# KiCad board FrontEnd_5G.kicad_pcb (continued)
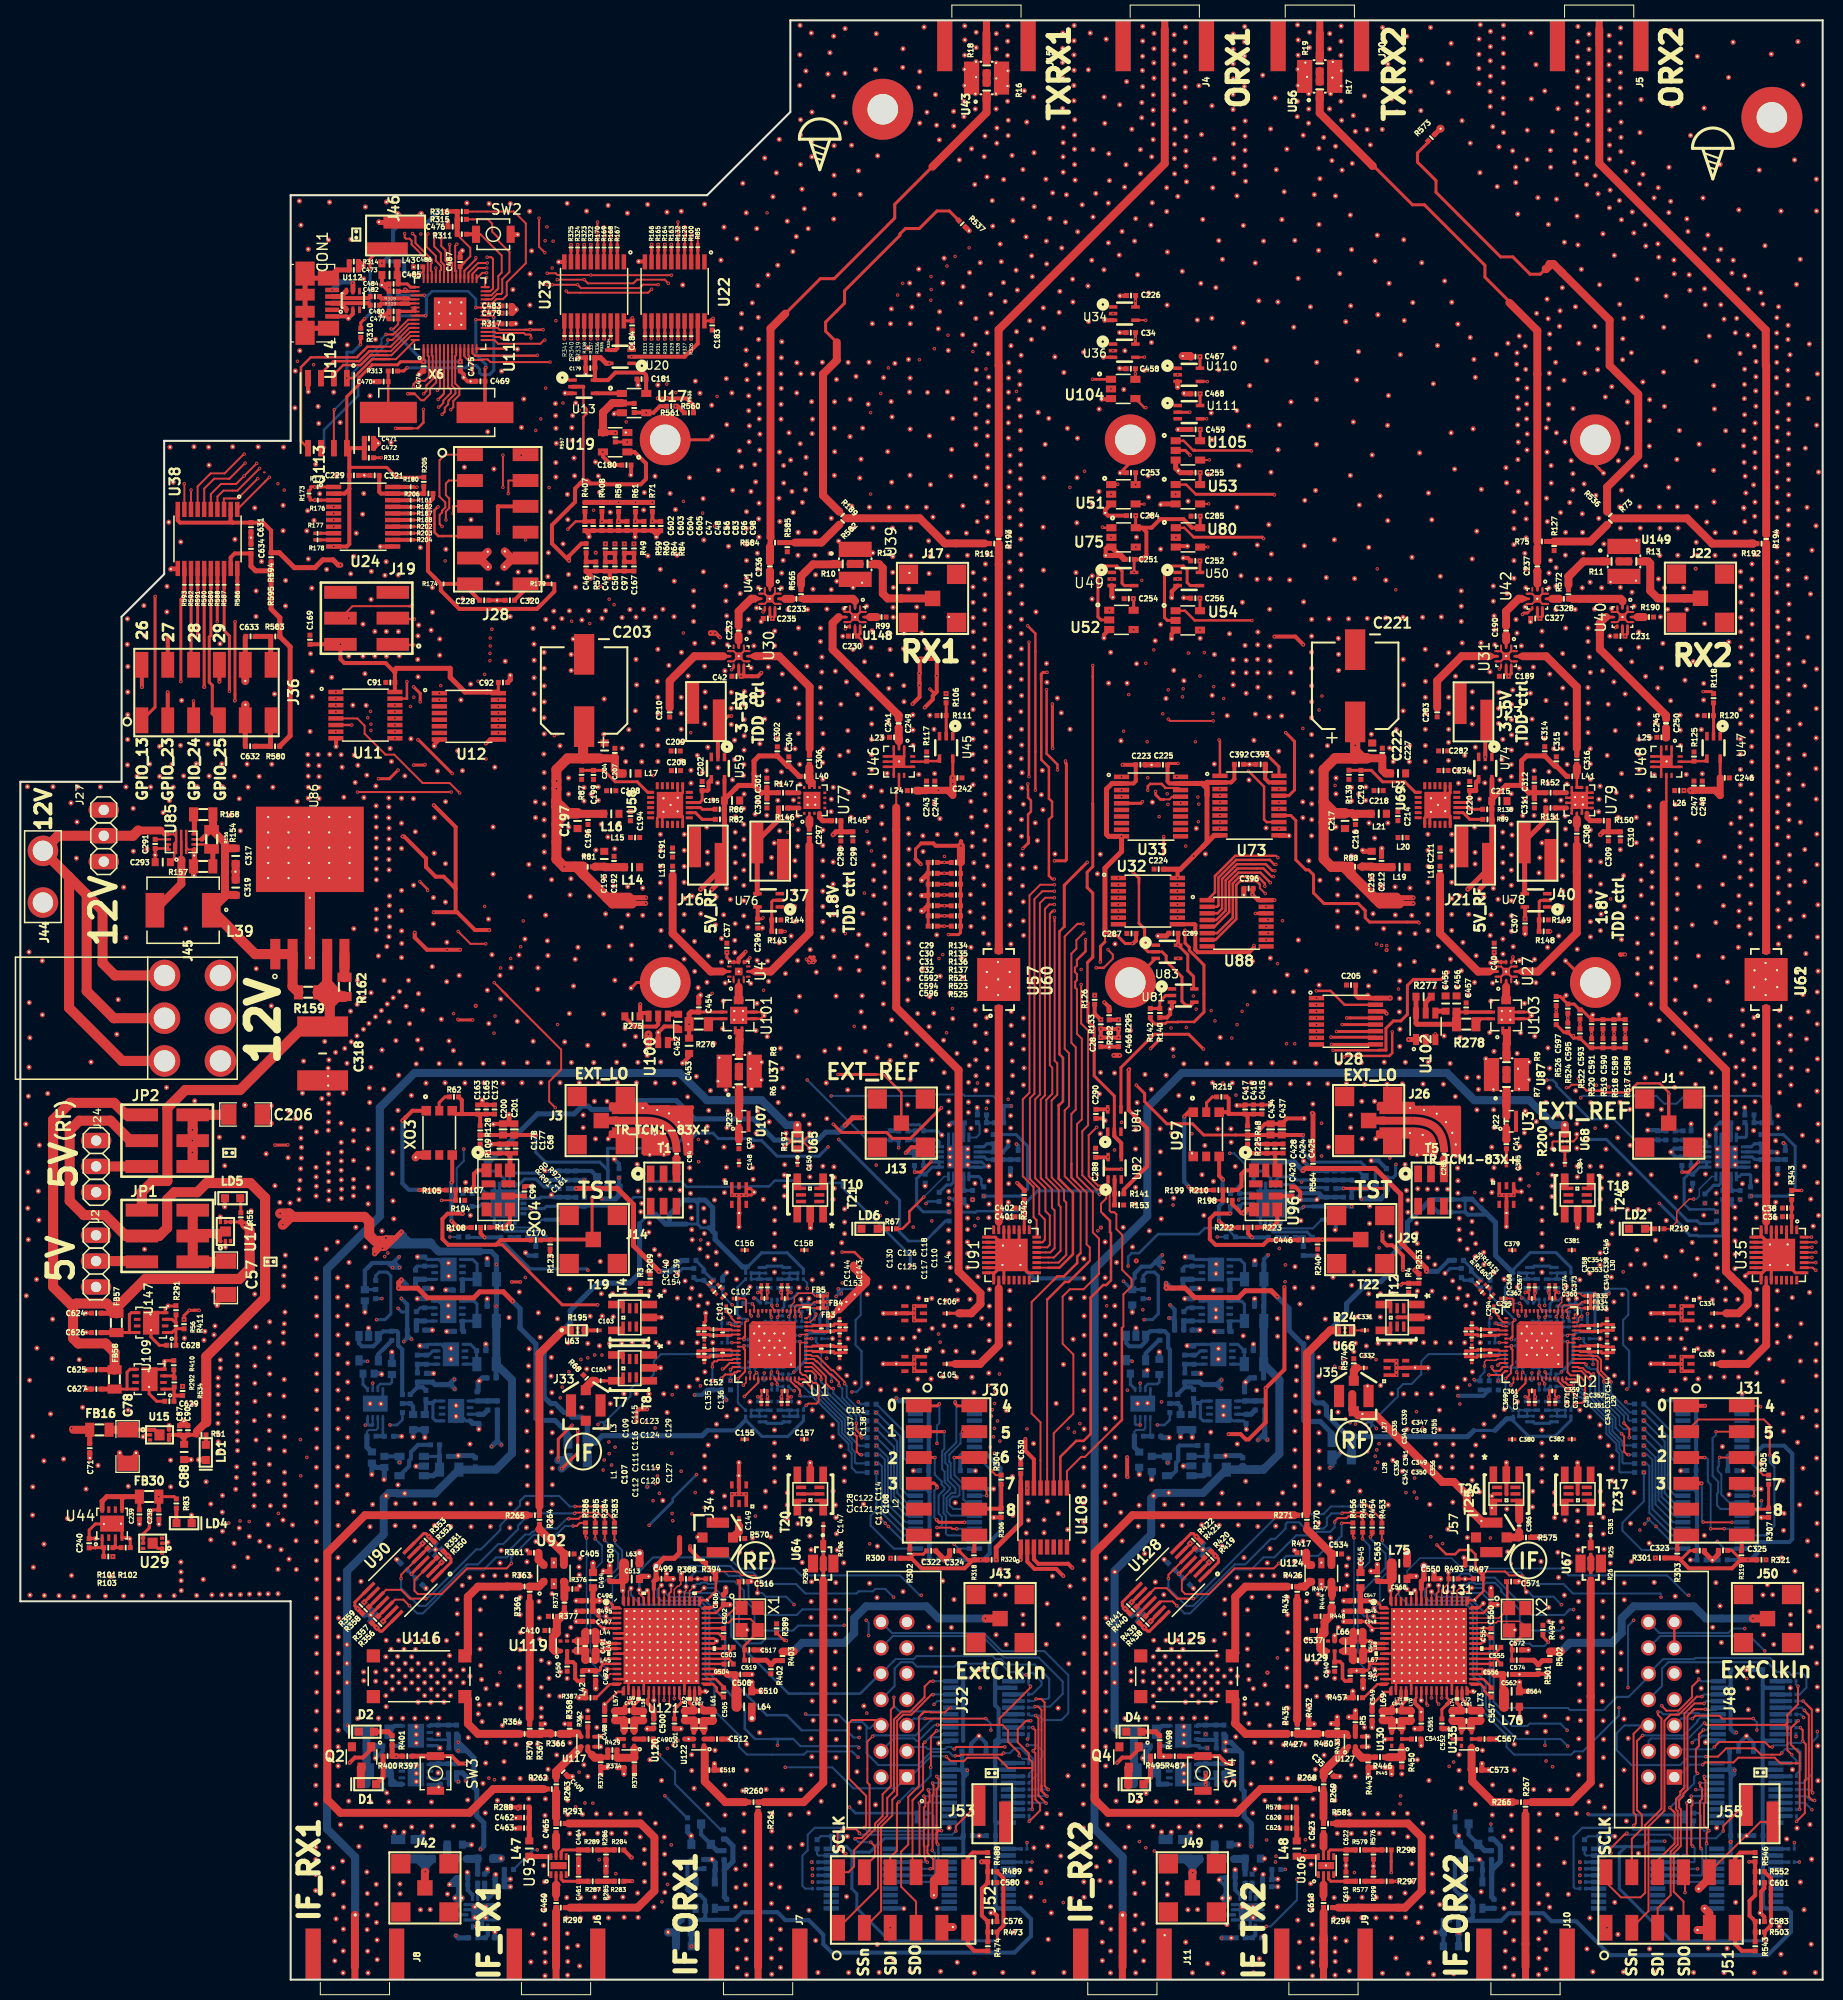
[diagram p0: board, top side]
## Placement (name value [footprint] x y rotation side) (continued)
Ref**#454  Val**  [VIA_600_400]  129.71 19.97 0 top
Ref**#455  Val**  [VIA_600_400]  131.22 19.97 0 top
Ref**#456  Val**  [VIA_600_400]  129.32 16.28 0 top
Ref**#457  Val**  [VIA_600_400]  130.7 16.27 0 top
Ref**#458  Val**  [VIA_600_400]  127.3 20.67 0 top
Ref**#459  Val**  [VIA_600_400]  133.14 30.51 0 top
Ref**#460  Val**  [VIA_600_400]  132.88 29.87 0 top
Ref**#461  Val**  [VIA_600_400]  143.86 33.3 0 top
Ref**#462  Val**  [VIA_600_400]  143.93 30.25 0 top
Ref**#463  Val**  [VIA_600_400]  119.63 29.82 0 top
Ref**#464  Val**  [VIA_600_400]  118.35 29.82 0 top
Ref**#465  Val**  [VIA_600_400]  117.09 29.82 0 top
Ref**#466  Val**  [VIA_600_400]  115.82 29.82 0 top
Ref**#467  Val**  [VIA_600_400]  114.55 29.82 0 top
Ref**#468  Val**  [VIA_600_400]  113.28 29.82 0 top
Ref**#469  Val**  [VIA_600_400]  112.01 29.82 0 top
Ref**#470  Val**  [VIA_600_400]  111.37 30.45 0 top
Ref**#471  Val**  [VIA_600_400]  118.99 30.45 0 top
Ref**#472  Val**  [VIA_600_400]  116.45 30.45 0 top
Ref**#473  Val**  [VIA_600_400]  117.71 30.45 0 top
Ref**#474  Val**  [VIA_600_400]  113.91 30.45 0 top
Ref**#475  Val**  [VIA_600_400]  112.64 30.45 0 top
Ref**#476  Val**  [VIA_600_400]  115.18 30.45 0 top
Ref**#477  Val**  [VIA_600_400]  111.37 29.19 0 top
Ref**#478  Val**  [VIA_600_400]  118.99 29.19 0 top
Ref**#479  Val**  [VIA_600_400]  116.45 29.19 0 top
Ref**#480  Val**  [VIA_600_400]  117.71 29.19 0 top
Ref**#481  Val**  [VIA_600_400]  113.91 29.19 0 top
Ref**#482  Val**  [VIA_600_400]  112.64 29.19 0 top
Ref**#483  Val**  [VIA_600_400]  115.18 29.19 0 top
Ref**#484  Val**  [VIA_600_400]  112.01 28.55 0 top
Ref**#485  Val**  [VIA_600_400]  117.09 28.55 0 top
Ref**#486  Val**  [VIA_600_400]  114.55 28.55 0 top
Ref**#487  Val**  [VIA_600_400]  113.28 28.55 0 top
Ref**#488  Val**  [VIA_600_400]  115.82 28.55 0 top
Ref**#489  Val**  [VIA_600_400]  114.55 31.09 0 top
Ref**#490  Val**  [VIA_600_400]  117.09 31.09 0 top
Ref**#491  Val**  [VIA_600_400]  113.28 31.09 0 top
Ref**#492  Val**  [VIA_600_400]  115.82 31.09 0 top
Ref**#493  Val**  [VIA_600_400]  112.01 31.09 0 top
Ref**#494  Val**  [VIA_600_400]  115.18 27.92 0 top
Ref**#495  Val**  [VIA_600_400]  117.72 27.92 0 top
Ref**#496  Val**  [VIA_600_400]  116.45 27.92 0 top
Ref**#497  Val**  [VIA_600_400]  114.54 27.28 0 top
Ref**#498  Val**  [VIA_600_400]  117.08 27.28 0 top
Ref**#499  Val**  [VIA_600_400]  115.81 27.28 0 top
Ref**#500  Val**  [VIA_600_400]  111.37 31.73 0 top
Ref**#501  Val**  [VIA_600_400]  113.91 31.73 0 top
Ref**#502  Val**  [VIA_600_400]  112.53 31.77 0 top
Ref**#503  Val**  [VIA_600_400]  111.89 32.47 0 top
Ref**#504  Val**  [VIA_600_400]  114.28 32.45 0 top
Ref**#505  Val**  [VIA_600_400]  113.16 32.47 0 top
Ref**#506  Val**  [VIA_600_400]  117.64 31.85 0 top
Ref**#507  Val**  [VIA_600_400]  117.34 33.33 0 top
Ref**#508  Val**  [VIA_600_400]  112.62 33.35 0 top
Ref**#509  Val**  [VIA_600_400]  116.16 33.33 0 top
Ref**#510  Val**  [VIA_600_400]  113.78 33.36 0 top
Ref**#511  Val**  [VIA_600_400]  114.96 33.36 0 top
Ref**#512  Val**  [VIA_600_400]  111.41 33.35 0 top
Ref**#513  Val**  [VIA_600_400]  111.4 26.83 0 top
Ref**#514  Val**  [VIA_600_400]  111.37 27.91 0 top
Ref**#515  Val**  [VIA_600_400]  110.37 29.33 0 top
Ref**#516  Val**  [VIA_600_400]  109.19 29.38 0 top
Ref**#517  Val**  [VIA_600_400]  109.18 30.24 0 top
Ref**#518  Val**  [VIA_600_400]  110.38 30.24 0 top
Ref**#519  Val**  [VIA_600_400]  104.54 11.07 0 top
Ref**#520  Val**  [VIA_600_400]  104.47 13.03 0 top
Ref**#521  Val**  [VIA_600_400]  104.54 9.61 0 top
Ref**#522  Val**  [VIA_600_400]  104.57 8.1 0 top
Ref**#523  Val**  [VIA_600_400]  108.6 25.67 0 top
Ref**#524  Val**  [VIA_600_400]  171.74 38.83 0 top
Ref**#525  Val**  [VIA_600_400]  132.88 27.08 0 top
Ref**#526  Val**  [VIA_600_400]  140.36 30.12 0 top
Ref**#527  Val**  [VIA_600_400]  138.08 30.12 0 top
Ref**#528  Val**  [VIA_600_400]  137.31 30.12 0 top
Ref**#529  Val**  [VIA_600_400]  135.04 29.36 0 top
Ref**#530  Val**  [VIA_600_400]  138.85 29.36 0 top
Ref**#531  Val**  [VIA_600_400]  138.09 29.36 0 top
Ref**#532  Val**  [VIA_600_400]  141.88 30.12 0 top
Ref**#533  Val**  [VIA_600_400]  141.13 29.36 0 top
Ref**#534  Val**  [VIA_600_400]  137.32 29.36 0 top
Ref**#535  Val**  [VIA_600_400]  141.89 29.36 0 top
Ref**#536  Val**  [VIA_600_400]  139.6 29.36 0 top
Ref**#537  Val**  [VIA_600_400]  141.12 30.12 0 top
Ref**#538  Val**  [VIA_600_400]  140.37 29.36 0 top
Ref**#539  Val**  [VIA_600_400]  139.59 30.12 0 top
Ref**#540  Val**  [VIA_600_400]  136.57 29.36 0 top
Ref**#541  Val**  [VIA_600_400]  135.81 29.36 0 top
Ref**#542  Val**  [VIA_600_400]  138.84 30.12 0 top
Ref**#543  Val**  [VIA_600_400]  135.03 30.12 0 top
Ref**#544  Val**  [VIA_600_400]  135.8 30.12 0 top
Ref**#545  Val**  [VIA_600_400]  136.56 30.12 0 top
Ref**#546  Val**  [VIA_600_400]  140.37 31.65 0 top
Ref**#547  Val**  [VIA_600_400]  138.09 31.65 0 top
Ref**#548  Val**  [VIA_600_400]  137.32 31.65 0 top
Ref**#549  Val**  [VIA_600_400]  135.05 30.89 0 top
Ref**#550  Val**  [VIA_600_400]  138.86 30.89 0 top
Ref**#551  Val**  [VIA_600_400]  138.1 30.89 0 top
Ref**#552  Val**  [VIA_600_400]  141.89 31.65 0 top
Ref**#553  Val**  [VIA_600_400]  141.14 30.89 0 top
Ref**#554  Val**  [VIA_600_400]  137.33 30.89 0 top
Ref**#555  Val**  [VIA_600_400]  141.9 30.89 0 top
Ref**#556  Val**  [VIA_600_400]  139.61 30.89 0 top
Ref**#557  Val**  [VIA_600_400]  141.13 31.65 0 top
Ref**#558  Val**  [VIA_600_400]  140.38 30.89 0 top
Ref**#559  Val**  [VIA_600_400]  139.6 31.65 0 top
Ref**#560  Val**  [VIA_600_400]  136.58 30.89 0 top
Ref**#561  Val**  [VIA_600_400]  135.82 30.89 0 top
Ref**#562  Val**  [VIA_600_400]  138.85 31.65 0 top
Ref**#563  Val**  [VIA_600_400]  135.04 31.65 0 top
Ref**#564  Val**  [VIA_600_400]  135.81 31.65 0 top
Ref**#565  Val**  [VIA_600_400]  136.57 31.65 0 top
Ref**#566  Val**  [VIA_600_400]  140.36 33.17 0 top
Ref**#567  Val**  [VIA_600_400]  138.08 33.17 0 top
Ref**#568  Val**  [VIA_600_400]  137.31 33.17 0 top
Ref**#569  Val**  [VIA_600_400]  135.04 32.41 0 top
Ref**#570  Val**  [VIA_600_400]  138.85 32.41 0 top
Ref**#571  Val**  [VIA_600_400]  138.09 32.41 0 top
Ref**#572  Val**  [VIA_600_400]  141.88 33.17 0 top
Ref**#573  Val**  [VIA_600_400]  141.13 32.41 0 top
Ref**#574  Val**  [VIA_600_400]  137.32 32.41 0 top
Ref**#575  Val**  [VIA_600_400]  141.89 32.41 0 top
Ref**#576  Val**  [VIA_600_400]  139.6 32.41 0 top
Ref**#577  Val**  [VIA_600_400]  141.12 33.17 0 top
Ref**#578  Val**  [VIA_600_400]  140.37 32.41 0 top
Ref**#579  Val**  [VIA_600_400]  139.59 33.17 0 top
Ref**#580  Val**  [VIA_600_400]  136.57 32.41 0 top
Ref**#581  Val**  [VIA_600_400]  135.81 32.41 0 top
Ref**#582  Val**  [VIA_600_400]  138.84 33.17 0 top
Ref**#583  Val**  [VIA_600_400]  135.03 33.17 0 top
Ref**#584  Val**  [VIA_600_400]  135.8 33.17 0 top
Ref**#585  Val**  [VIA_600_400]  136.56 33.17 0 top
Ref**#586  Val**  [VIA_600_400]  140.36 34.69 0 top
Ref**#587  Val**  [VIA_600_400]  138.08 34.69 0 top
Ref**#588  Val**  [VIA_600_400]  137.31 34.69 0 top
Ref**#589  Val**  [VIA_600_400]  135.04 33.93 0 top
Ref**#590  Val**  [VIA_600_400]  138.85 33.93 0 top
Ref**#591  Val**  [VIA_600_400]  138.09 33.93 0 top
Ref**#592  Val**  [VIA_600_400]  141.88 34.69 0 top
Ref**#593  Val**  [VIA_600_400]  141.13 33.93 0 top
Ref**#594  Val**  [VIA_600_400]  137.32 33.93 0 top
Ref**#595  Val**  [VIA_600_400]  141.89 33.93 0 top
Ref**#596  Val**  [VIA_600_400]  139.6 33.93 0 top
Ref**#597  Val**  [VIA_600_400]  141.12 34.69 0 top
Ref**#598  Val**  [VIA_600_400]  140.37 33.93 0 top
Ref**#599  Val**  [VIA_600_400]  139.59 34.69 0 top
Ref**#600  Val**  [VIA_600_400]  136.57 33.93 0 top
Ref**#601  Val**  [VIA_600_400]  135.81 33.93 0 top
Ref**#602  Val**  [VIA_600_400]  138.84 34.69 0 top
Ref**#603  Val**  [VIA_600_400]  135.03 34.69 0 top
Ref**#604  Val**  [VIA_600_400]  135.8 34.69 0 top
Ref**#605  Val**  [VIA_600_400]  136.56 34.69 0 top
Ref**#606  Val**  [VIA_600_400]  140.36 36.22 0 top
Ref**#607  Val**  [VIA_600_400]  138.08 36.22 0 top
Ref**#608  Val**  [VIA_600_400]  137.31 36.22 0 top
Ref**#609  Val**  [VIA_600_400]  135.04 35.46 0 top
Ref**#610  Val**  [VIA_600_400]  138.85 35.46 0 top
Ref**#611  Val**  [VIA_600_400]  138.09 35.46 0 top
Ref**#612  Val**  [VIA_600_400]  141.88 36.22 0 top
Ref**#613  Val**  [VIA_600_400]  141.13 35.46 0 top
Ref**#614  Val**  [VIA_600_400]  137.32 35.46 0 top
Ref**#615  Val**  [VIA_600_400]  141.89 35.46 0 top
Ref**#616  Val**  [VIA_600_400]  139.6 35.46 0 top
Ref**#617  Val**  [VIA_600_400]  141.12 36.22 0 top
Ref**#618  Val**  [VIA_600_400]  140.37 35.46 0 top
Ref**#619  Val**  [VIA_600_400]  139.59 36.22 0 top
Ref**#620  Val**  [VIA_600_400]  136.57 35.46 0 top
Ref**#621  Val**  [VIA_600_400]  135.81 35.46 0 top
Ref**#622  Val**  [VIA_600_400]  138.84 36.22 0 top
Ref**#623  Val**  [VIA_600_400]  135.03 36.22 0 top
Ref**#624  Val**  [VIA_600_400]  135.8 36.22 0 top
Ref**#625  Val**  [VIA_600_400]  136.56 36.22 0 top
Ref**#626  Val**  [VIA_600_400]  132.55 67.41 0 top
Ref**#627  Val**  [VIA_600_400]  133.7 67.42 0 top
Ref**#628  Val**  [VIA_600_400]  134.88 67.42 0 top
Ref**#629  Val**  [VIA_600_400]  137.33 67.68 0 top
Ref**#630  Val**  [VIA_600_400]  138.77 67.68 0 top
Ref**#631  Val**  [VIA_600_400]  140.8 68.68 0 top
Ref**#632  Val**  [VIA_600_400]  141.46 67.97 0 top
Ref**#633  Val**  [VIA_600_400]  142.28 67.24 0 top
Ref**#634  Val**  [VIA_600_400]  143.02 66.49 0 top
Ref**#635  Val**  [VIA_600_400]  142.82 65.52 0 top
Ref**#636  Val**  [VIA_600_400]  142.1 66.25 0 top
Ref**#637  Val**  [VIA_600_400]  141.28 66.97 0 top
Ref**#638  Val**  [VIA_600_400]  140.04 66.99 0 top
Ref**#639  Val**  [VIA_600_400]  138.46 65.1 0 top
Ref**#640  Val**  [VIA_600_400]  133.47 62.55 0 top
Ref**#641  Val**  [VIA_600_400]  134.55 62.53 0 top
Ref**#642  Val**  [VIA_600_400]  135.59 62.64 0 top
Ref**#643  Val**  [VIA_600_400]  136.67 62.62 0 top
Ref**#644  Val**  [VIA_600_400]  137.94 62.62 0 top
Ref**#645  Val**  [VIA_600_400]  139.12 62.62 0 top
Ref**#646  Val**  [VIA_600_400]  140.59 62.61 0 top
Ref**#647  Val**  [VIA_600_400]  141.98 62.61 0 top
Ref**#648  Val**  [VIA_600_400]  143.51 62.61 0 top
Ref**#649  Val**  [VIA_600_400]  133.69 65.13 0 top
Ref**#650  Val**  [VIA_600_400]  132.62 65.15 0 top
Ref**#651  Val**  [VIA_600_400]  131.45 65.15 0 top
Ref**#652  Val**  [VIA_600_400]  142.74 59.74 0 top
Ref**#653  Val**  [VIA_600_400]  142.01 59.01 0 top
Ref**#654  Val**  [VIA_600_400]  141.27 58.18 0 top
Ref**#655  Val**  [VIA_600_400]  139.86 58.26 0 top
Ref**#656  Val**  [VIA_600_400]  138.7 57.57 0 top
Ref**#657  Val**  [VIA_600_400]  137.25 57.58 0 top
Ref**#658  Val**  [VIA_600_400]  135.98 57.57 0 top
Ref**#659  Val**  [VIA_600_400]  138.39 60.13 0 top
Ref**#660  Val**  [VIA_600_400]  132.32 62.28 0 top
Ref**#661  Val**  [VIA_600_400]  131.23 62.56 0 top
Ref**#662  Val**  [VIA_600_400]  149.58 55.3 0 top
Ref**#663  Val**  [VIA_600_400]  149.57 54.02 0 top
Ref**#664  Val**  [VIA_600_400]  149.57 52.75 0 top
Ref**#665  Val**  [VIA_600_400]  149.58 51.48 0 top
Ref**#666  Val**  [VIA_600_400]  149.57 50.21 0 top
Ref**#667  Val**  [VIA_600_400]  149.57 48.95 0 top
Ref**#668  Val**  [VIA_600_400]  147.17 56.8 0 top
Ref**#669  Val**  [VIA_600_400]  145.87 56.04 0 top
Ref**#670  Val**  [VIA_600_400]  144.89 55.38 0 top
Ref**#671  Val**  [VIA_600_400]  143.88 54.6 0 top
Ref**#672  Val**  [VIA_600_400]  143.86 53.39 0 top
Ref**#673  Val**  [VIA_600_400]  143.07 52.55 0 top
Ref**#674  Val**  [VIA_600_400]  142.69 51.51 0 top
Ref**#675  Val**  [VIA_600_400]  142.7 50.35 0 top
Ref**#676  Val**  [VIA_600_400]  142.71 49.09 0 top
Ref**#677  Val**  [VIA_600_400]  146.08 50.82 0 top
Ref**#678  Val**  [VIA_600_400]  143.44 47.94 0 top
Ref**#679  Val**  [VIA_600_400]  148.67 48 0 top
Ref**#680  Val**  [VIA_600_400]  140.05 69.43 0 top
Ref**#681  Val**  [VIA_600_400]  139.05 70.28 0 top
Ref**#682  Val**  [VIA_600_400]  138.39 70.98 0 top
Ref**#683  Val**  [VIA_600_400]  132.63 74.32 0 top
Ref**#684  Val**  [VIA_600_400]  132.65 76.03 0 top
Ref**#685  Val**  [VIA_600_400]  137.26 74.35 0 top
Ref**#686  Val**  [VIA_600_400]  141.32 77.31 0 top
Ref**#687  Val**  [VIA_600_400]  141.43 76.01 0 top
Ref**#688  Val**  [VIA_600_400]  141.45 74.83 0 top
Ref**#689  Val**  [VIA_600_400]  141.43 73.72 0 top
Ref**#690  Val**  [VIA_600_400]  141.5 72.72 0 top
Ref**#691  Val**  [VIA_600_400]  142.25 71.82 0 top
Ref**#692  Val**  [VIA_600_400]  143.01 71.05 0 top
Ref**#693  Val**  [VIA_600_400]  147.45 78.67 0 top
Ref**#694  Val**  [VIA_600_400]  129.53 55.78 0 top
Ref**#695  Val**  [VIA_600_400]  143.62 45.07 0 top
Ref**#696  Val**  [VIA_600_400]  138.55 46.71 0 top
Ref**#697  Val**  [VIA_600_400]  136.4 75.43 0 top
Ref**#698  Val**  [VIA_600_400]  136.4 76.61 0 top
Ref**#699  Val**  [VIA_600_400]  136.26 77.57 0 top
Ref**#700  Val**  [VIA_600_400]  136.11 78.85 0 top
Ref**#701  Val**  [VIA_600_400]  137.37 77.73 0 top
Ref**#702  Val**  [VIA_600_400]  138.33 77.7 0 top
Ref**#703  Val**  [VIA_600_400]  139.28 77.7 0 top
Ref**#704  Val**  [VIA_600_400]  140.3 77.7 0 top
Ref**#705  Val**  [VIA_600_400]  141.32 78.52 0 top
Ref**#706  Val**  [VIA_600_400]  141.29 79.77 0 top
Ref**#707  Val**  [VIA_600_400]  136.12 80.12 0 top
Ref**#708  Val**  [VIA_600_400]  137.3 81.09 0 top
Ref**#709  Val**  [VIA_600_400]  138.72 81.09 0 top
Ref**#710  Val**  [VIA_600_400]  138.72 81.09 0 top
Ref**#711  Val**  [VIA_600_400]  141.15 80.97 0 top
Ref**#712  Val**  [VIA_600_400]  141.1 82.09 0 top
Ref**#713  Val**  [VIA_600_400]  138.6 82.24 0 top
Ref**#714  Val**  [VIA_600_400]  137.85 83.03 0 top
Ref**#715  Val**  [VIA_600_400]  136.6 83.21 0 top
Ref**#716  Val**  [VIA_600_400]  136.62 85.67 0 top
Ref**#717  Val**  [VIA_600_400]  137.99 85.49 0 top
Ref**#718  Val**  [VIA_600_400]  139.23 85.11 0 top
Ref**#719  Val**  [VIA_600_400]  140.15 84.28 0 top
Ref**#720  Val**  [VIA_600_400]  140.76 83.24 0 top
Ref**#721  Val**  [VIA_600_400]  152 56.74 0 top
Ref**#722  Val**  [VIA_600_400]  153.3 55.98 0 top
Ref**#723  Val**  [VIA_600_400]  154.27 55.32 0 top
Ref**#724  Val**  [VIA_600_400]  155.28 54.53 0 top
Ref**#725  Val**  [VIA_600_400]  155.3 53.33 0 top
Ref**#726  Val**  [VIA_600_400]  156.1 52.49 0 top
Ref**#727  Val**  [VIA_600_400]  156.47 51.46 0 top
Ref**#728  Val**  [VIA_600_400]  156.46 50.29 0 top
Ref**#729  Val**  [VIA_600_400]  156.47 49.03 0 top
Ref**#730  Val**  [VIA_600_400]  155.31 47.99 0 top
Ref**#731  Val**  [VIA_600_400]  155.6 46.67 0 top
Ref**#732  Val**  [VIA_600_400]  155.59 45.43 0 top
Ref**#733  Val**  [VIA_600_400]  150.82 47.88 0 top
Ref**#734  Val**  [VIA_600_400]  150.84 46.65 0 top
Ref**#735  Val**  [VIA_600_400]  150.82 45.41 0 top
Ref**#736  Val**  [VIA_600_400]  153.08 50.81 0 top
Ref**#737  Val**  [VIA_600_400]  153.09 46.11 0 top
Ref**#738  Val**  [VIA_600_400]  153.08 45.02 0 top
Ref**#739  Val**  [VIA_600_400]  153.08 43.65 0 top
Ref**#740  Val**  [VIA_600_400]  153.16 42.24 0 top
Ref**#741  Val**  [VIA_600_400]  113.91 15 0 top
Ref**#742  Val**  [VIA_600_400]  155.97 60.11 0 top
Ref**#743  Val**  [VIA_600_400]  156.7 59.38 0 top
Ref**#744  Val**  [VIA_600_400]  157.51 58.65 0 top
Ref**#745  Val**  [VIA_600_400]  158.75 58.63 0 top
Ref**#746  Val**  [VIA_600_400]  160.01 57.94 0 top
Ref**#747  Val**  [VIA_600_400]  161.47 57.94 0 top
Ref**#748  Val**  [VIA_600_400]  162.74 57.94 0 top
Ref**#749  Val**  [VIA_600_400]  155.29 63.01 0 top
Ref**#750  Val**  [VIA_600_400]  156.81 63.01 0 top
Ref**#751  Val**  [VIA_600_400]  158.29 63.01 0 top
Ref**#752  Val**  [VIA_600_400]  159.58 63.01 0 top
Ref**#753  Val**  [VIA_600_400]  160.86 63.01 0 top
Ref**#754  Val**  [VIA_600_400]  162.13 63.01 0 top
Ref**#755  Val**  [VIA_600_400]  163.27 63.01 0 top
Ref**#756  Val**  [VIA_600_400]  160.28 60.53 0 top
Ref**#757  Val**  [VIA_600_400]  161.55 60.54 0 top
Ref**#758  Val**  [VIA_600_400]  163.8 63.95 0 top
Ref**#759  Val**  [VIA_600_400]  155.93 65.89 0 top
Ref**#760  Val**  [VIA_600_400]  156.65 66.62 0 top
Ref**#761  Val**  [VIA_600_400]  157.47 67.34 0 top
Ref**#762  Val**  [VIA_600_400]  158.71 67.36 0 top
Ref**#763  Val**  [VIA_600_400]  159.97 68.05 0 top
Ref**#764  Val**  [VIA_600_400]  161.42 68.06 0 top
Ref**#765  Val**  [VIA_600_400]  162.68 68.05 0 top
Ref**#766  Val**  [VIA_600_400]  152.18 66.87 0 top
Ref**#767  Val**  [VIA_600_400]  152.98 66.96 0 top
Ref**#768  Val**  [VIA_600_400]  151.98 68.13 0 top
Ref**#769  Val**  [VIA_600_400]  153.3 68.78 0 top
Ref**#770  Val**  [VIA_600_400]  154.27 69.44 0 top
Ref**#771  Val**  [VIA_600_400]  155.28 70.23 0 top
Ref**#772  Val**  [VIA_600_400]  149.58 69.53 0 top
Ref**#773  Val**  [VIA_600_400]  149.58 70.8 0 top
Ref**#774  Val**  [VIA_600_400]  149.58 72.07 0 top
Ref**#775  Val**  [VIA_600_400]  149.58 73.34 0 top
Ref**#776  Val**  [VIA_600_400]  149.58 74.61 0 top
Ref**#777  Val**  [VIA_600_400]  149.58 75.88 0 top
Ref**#778  Val**  [VIA_600_400]  153.08 73.92 0 top
Ref**#779  Val**  [VIA_600_400]  153.05 78.9 0 top
Ref**#780  Val**  [VIA_600_400]  153.04 79.95 0 top
Ref**#781  Val**  [VIA_600_400]  153.02 81.73 0 top
Ref**#782  Val**  [VIA_600_400]  150.56 76.97 0 top
Ref**#783  Val**  [VIA_600_400]  150.57 78 0 top
Ref**#784  Val**  [VIA_600_400]  148.47 76.68 0 top
Ref**#785  Val**  [VIA_600_400]  150.58 79.08 0 top
Ref**#786  Val**  [VIA_600_400]  150.57 80.08 0 top
Ref**#787  Val**  [VIA_600_400]  155.3 71.43 0 top
Ref**#788  Val**  [VIA_600_400]  156.09 72.27 0 top
Ref**#789  Val**  [VIA_600_400]  156.47 73.31 0 top
Ref**#790  Val**  [VIA_600_400]  156.46 74.47 0 top
Ref**#791  Val**  [VIA_600_400]  156.46 75.73 0 top
Ref**#792  Val**  [VIA_600_400]  155.31 76.69 0 top
Ref**#793  Val**  [VIA_600_400]  155.42 77.79 0 top
Ref**#794  Val**  [VIA_600_400]  155.42 78.86 0 top
Ref**#795  Val**  [VIA_600_400]  155.42 79.92 0 top
Ref**#796  Val**  [VIA_600_400]  147.17 68.08 0 top
Ref**#797  Val**  [VIA_600_400]  145.86 68.85 0 top
Ref**#798  Val**  [VIA_600_400]  144.89 69.5 0 top
Ref**#799  Val**  [VIA_600_400]  143.88 70.29 0 top
Ref**#800  Val**  [VIA_600_400]  143.85 71.49 0 top
Ref**#801  Val**  [VIA_600_400]  143.06 72.34 0 top
Ref**#802  Val**  [VIA_600_400]  142.69 73.36 0 top
Ref**#803  Val**  [VIA_600_400]  142.7 74.53 0 top
Ref**#804  Val**  [VIA_600_400]  142.69 75.8 0 top
Ref**#805  Val**  [VIA_600_400]  143.67 76.66 0 top
Ref**#806  Val**  [VIA_600_400]  146.08 74.01 0 top
Ref**#807  Val**  [VIA_600_400]  146.09 75.35 0 top
Ref**#808  Val**  [VIA_600_400]  134.82 57.59 0 top
Ref**#809  Val**  [VIA_600_400]  133.72 58.4 0 top
Ref**#810  Val**  [VIA_600_400]  132.43 58.33 0 top
Ref**#811  Val**  [VIA_600_400]  148.58 62.11 0 top
Ref**#812  Val**  [VIA_600_400]  149.58 62.11 0 top
Ref**#813  Val**  [VIA_600_400]  150.59 62.11 0 top
Ref**#814  Val**  [VIA_600_400]  148.08 62.81 0 top
Ref**#815  Val**  [VIA_600_400]  149.09 62.81 0 top
Ref**#816  Val**  [VIA_600_400]  150.08 62.81 0 top
Ref**#817  Val**  [VIA_600_400]  148.08 61.41 0 top
Ref**#818  Val**  [VIA_600_400]  149.09 61.41 0 top
Ref**#819  Val**  [VIA_600_400]  150.09 61.41 0 top
Ref**#820  Val**  [VIA_600_400]  151.19 61.41 0 top
Ref**#821  Val**  [VIA_600_400]  151.19 60.51 0 top
Ref**#822  Val**  [VIA_600_400]  147.58 63.51 0 top
Ref**#823  Val**  [VIA_600_400]  148.58 63.51 0 top
Ref**#824  Val**  [VIA_600_400]  149.58 63.51 0 top
Ref**#825  Val**  [VIA_600_400]  150.48 63.51 0 top
Ref**#826  Val**  [VIA_600_400]  148.08 64.21 0 top
Ref**#827  Val**  [VIA_600_400]  165.07 67 0 top
Ref**#828  Val**  [VIA_600_400]  163.8 67 0 top
Ref**#829  Val**  [VIA_600_400]  163.62 62.01 0 top
Ref**#830  Val**  [VIA_600_400]  164.89 62.01 0 top
Ref**#831  Val**  [VIA_600_400]  163.66 59.05 0 top
Ref**#832  Val**  [VIA_600_400]  148.65 46.46 0 top
Ref**#833  Val**  [VIA_600_400]  131.87 86.33 0 top
Ref**#834  Val**  [VIA_600_400]  133.12 86.33 0 top
Ref**#835  Val**  [VIA_600_400]  130.77 84.98 0 top
Ref**#836  Val**  [VIA_600_400]  130.77 83.74 0 top
Ref**#837  Val**  [VIA_600_400]  131.9 82.65 0 top
Ref**#838  Val**  [VIA_600_400]  133.23 82.64 0 top
Ref**#839  Val**  [VIA_600_400]  114.77 6.87 0 top
Ref**#840  Val**  [VIA_600_400]  115.73 6.89 0 top
Ref**#841  Val**  [VIA_600_400]  112.76 8.34 90 top
Ref**#842  Val**  [VIA_600_400]  112.76 9.48 90 top
Ref**#843  Val**  [VIA_600_400]  112.38 21.93 0 top
Ref**#844  Val**  [VIA_600_400]  116.23 42.27 225 top
Ref**#845  Val**  [VIA_600_400]  109.88 35.86 225 top
Ref**#846  Val**  [VIA_600_400]  160.3 65.49 0 top
Ref**#847  Val**  [VIA_600_400]  161.53 65.5 0 top
Ref**#848  Val**  [VIA_600_400]  144.69 78.57 0 top
Ref**#849  Val**  [VIA_600_400]  144.86 79.8 0 top
Ref**#850  Val**  [VIA_600_400]  147.39 79.83 0 top
Ref**#851  Val**  [VIA_600_400]  144.65 77.37 0 top
Ref**#852  Val**  [VIA_600_400]  147.55 77.45 0 top
Ref**#853  Val**  [VIA_600_400]  154.31 79.95 0 top
Ref**#854  Val**  [VIA_600_400]  166.33 66.82 0 top
Ref**#855  Val**  [VIA_600_400]  165.08 64.07 0 top
Ref**#856  Val**  [VIA_600_400]  166.19 64.23 0 top
Ref**#857  Val**  [VIA_600_400]  167.62 66.8 0 top
Ref**#858  Val**  [VIA_600_400]  167.42 64.21 0 top
Ref**#859  Val**  [VIA_600_400]  164.93 59.05 0 top
Ref**#860  Val**  [VIA_600_400]  166.12 59.23 0 top
Ref**#861  Val**  [VIA_600_400]  166.1 61.76 0 top
Ref**#862  Val**  [VIA_600_400]  167.43 61.77 0 top
Ref**#863  Val**  [VIA_600_400]  167.49 59.23 0 top
Ref**#864  Val**  [VIA_600_400]  151.84 45.14 0 top
Ref**#865  Val**  [VIA_600_400]  155.6 43.81 0 top
Ref**#866  Val**  [VIA_600_400]  155.68 42.31 0 top
Ref**#867  Val**  [VIA_600_400]  166.33 41.23 0 top
Ref**#868  Val**  [VIA_600_400]  171.12 48.22 0 top
Ref**#869  Val**  [VIA_600_400]  169.25 57.63 0 top
Ref**#870  Val**  [VIA_600_400]  164.17 41.26 0 top
Ref**#871  Val**  [VIA_600_400]  144.65 47.54 0 top
Ref**#872  Val**  [VIA_600_400]  144.64 46.37 0 top
Ref**#873  Val**  [VIA_600_400]  146.12 46.26 0 top
Ref**#874  Val**  [VIA_600_400]  150.6 81.68 0 top
Ref**#875  Val**  [VIA_600_400]  171.03 6.56 0 top
Ref**#876  Val**  [VIA_600_400]  155.59 25.44 0 top
Ref**#877  Val**  [VIA_600_400]  171.99 70.24 0 top
Ref**#878  Val**  [VIA_600_400]  173.73 70.24 0 top
Ref**#879  Val**  [VIA_600_400]  173.73 72.26 0 top
Ref**#880  Val**  [VIA_600_400]  171.99 72.26 0 top
Ref**#881  Val**  [VIA_600_400]  123.78 15.92 270 top
Ref**#882  Val**  [VIA_600_400]  123.78 14.88 270 top
Ref**#883  Val**  [VIA_600_400]  128.35 11.22 0 top
Ref**#884  Val**  [VIA_600_400]  130.31 11.22 0 top
Ref**#885  Val**  [VIA_600_400]  133.01 11.16 0 top
Ref**#886  Val**  [VIA_600_400]  111.65 17.49 0 top
Ref**#887  Val**  [VIA_600_400]  113.65 17.48 0 top
Ref**#888  Val**  [VIA_600_400]  118.01 15.09 0 top
Ref**#889  Val**  [VIA_600_400]  115.86 15.09 0 top
Ref**#890  Val**  [VIA_600_400]  119.92 15.11 0 top
Ref**#891  Val**  [VIA_600_400]  122.33 17.61 0 top
Ref**#892  Val**  [VIA_600_400]  121.15 16.37 0 top
Ref**#893  Val**  [VIA_600_400]  115.85 17.47 0 top
Ref**#894  Val**  [VIA_600_400]  108.97 15.01 0 top
Ref**#895  Val**  [VIA_600_400]  119.38 17.63 0 top
Ref**#896  Val**  [VIA_600_400]  120.97 19.23 0 top
Ref**#897  Val**  [VIA_600_400]  123.8 17.79 0 top
Ref**#898  Val**  [VIA_600_400]  127.07 17.77 0 top
Ref**#899  Val**  [VIA_600_400]  125.4 17.78 0 top
Ref**#900  Val**  [VIA_600_400]  124.57 19.77 0 top
Ref**#901  Val**  [VIA_600_400]  125.74 19.72 0 top
Ref**#902  Val**  [VIA_600_400]  122.97 19.78 0 top
Ref**#903  Val**  [VIA_600_400]  133.45 16.3 0 top
Ref**#904  Val**  [VIA_600_400]  132.07 16.31 0 top
Ref**#905  Val**  [VIA_600_400]  132.21 14.4 0 top
Ref**#906  Val**  [VIA_600_400]  133.59 14.39 0 top
Ref**#907  Val**  [VIA_600_400]  130.84 14.36 0 top
Ref**#908  Val**  [VIA_600_400]  129.46 14.37 0 top
Ref**#909  Val**  [VIA_600_400]  134.98 16.35 0 top
Ref**#910  Val**  [VIA_600_400]  136.36 16.34 0 top
Ref**#911  Val**  [VIA_600_400]  136.39 14.04 0 top
Ref**#912  Val**  [VIA_600_400]  134.98 14.41 0 top
Ref**#913  Val**  [VIA_600_400]  136.17 6.11 0 top
Ref**#914  Val**  [VIA_600_400]  134.79 6.12 0 top
Ref**#915  Val**  [VIA_600_400]  131.88 6.08 0 top
Ref**#916  Val**  [VIA_600_400]  133.26 6.07 0 top
Ref**#917  Val**  [VIA_600_400]  130.51 6.04 0 top
Ref**#918  Val**  [VIA_600_400]  129.13 6.05 0 top
Ref**#919  Val**  [VIA_600_400]  134.67 8.1 0 top
Ref**#920  Val**  [VIA_600_400]  129.15 8.06 0 top
Ref**#921  Val**  [VIA_600_400]  130.53 8.05 0 top
Ref**#922  Val**  [VIA_600_400]  133.28 8.08 0 top
Ref**#923  Val**  [VIA_600_400]  131.9 8.09 0 top
Ref**#924  Val**  [VIA_600_400]  136.12 8.51 0 top
Ref**#925  Val**  [VIA_600_400]  127.08 13.18 0 top
Ref**#926  Val**  [VIA_600_400]  127.06 14.75 0 top
Ref**#927  Val**  [VIA_600_400]  126.89 11.34 0 top
Ref**#928  Val**  [VIA_600_400]  127.03 16.14 0 top
Ref**#929  Val**  [VIA_600_400]  129.22 17.64 0 top
Ref**#930  Val**  [VIA_600_400]  129.21 18.88 0 top
Ref**#931  Val**  [VIA_600_400]  126.84 9.44 0 top
Ref**#932  Val**  [VIA_600_400]  126.97 7.96 0 top
Ref**#933  Val**  [VIA_600_400]  126.99 6.89 0 top
Ref**#934  Val**  [VIA_600_400]  127.02 2.68 0 top